# Altium PCB SmartHub Carrier.PcbDoc (part 5 of 5)
Units mm, origin at the board's own origin, x right, y up, seen from the top; angles counter-clockwise.
Board outline 120 x 130 mm, 8 copper layers (Top Layer, Layer 2, Layer 3, Layer 4, Layer 5, Layer 6, Layer 7, Bottom Layer), stack 1.479 mm thick; 460 components, 376 nets, 1826 pads, 565 vias.
Unrouted connection lines stored in the file: 350.
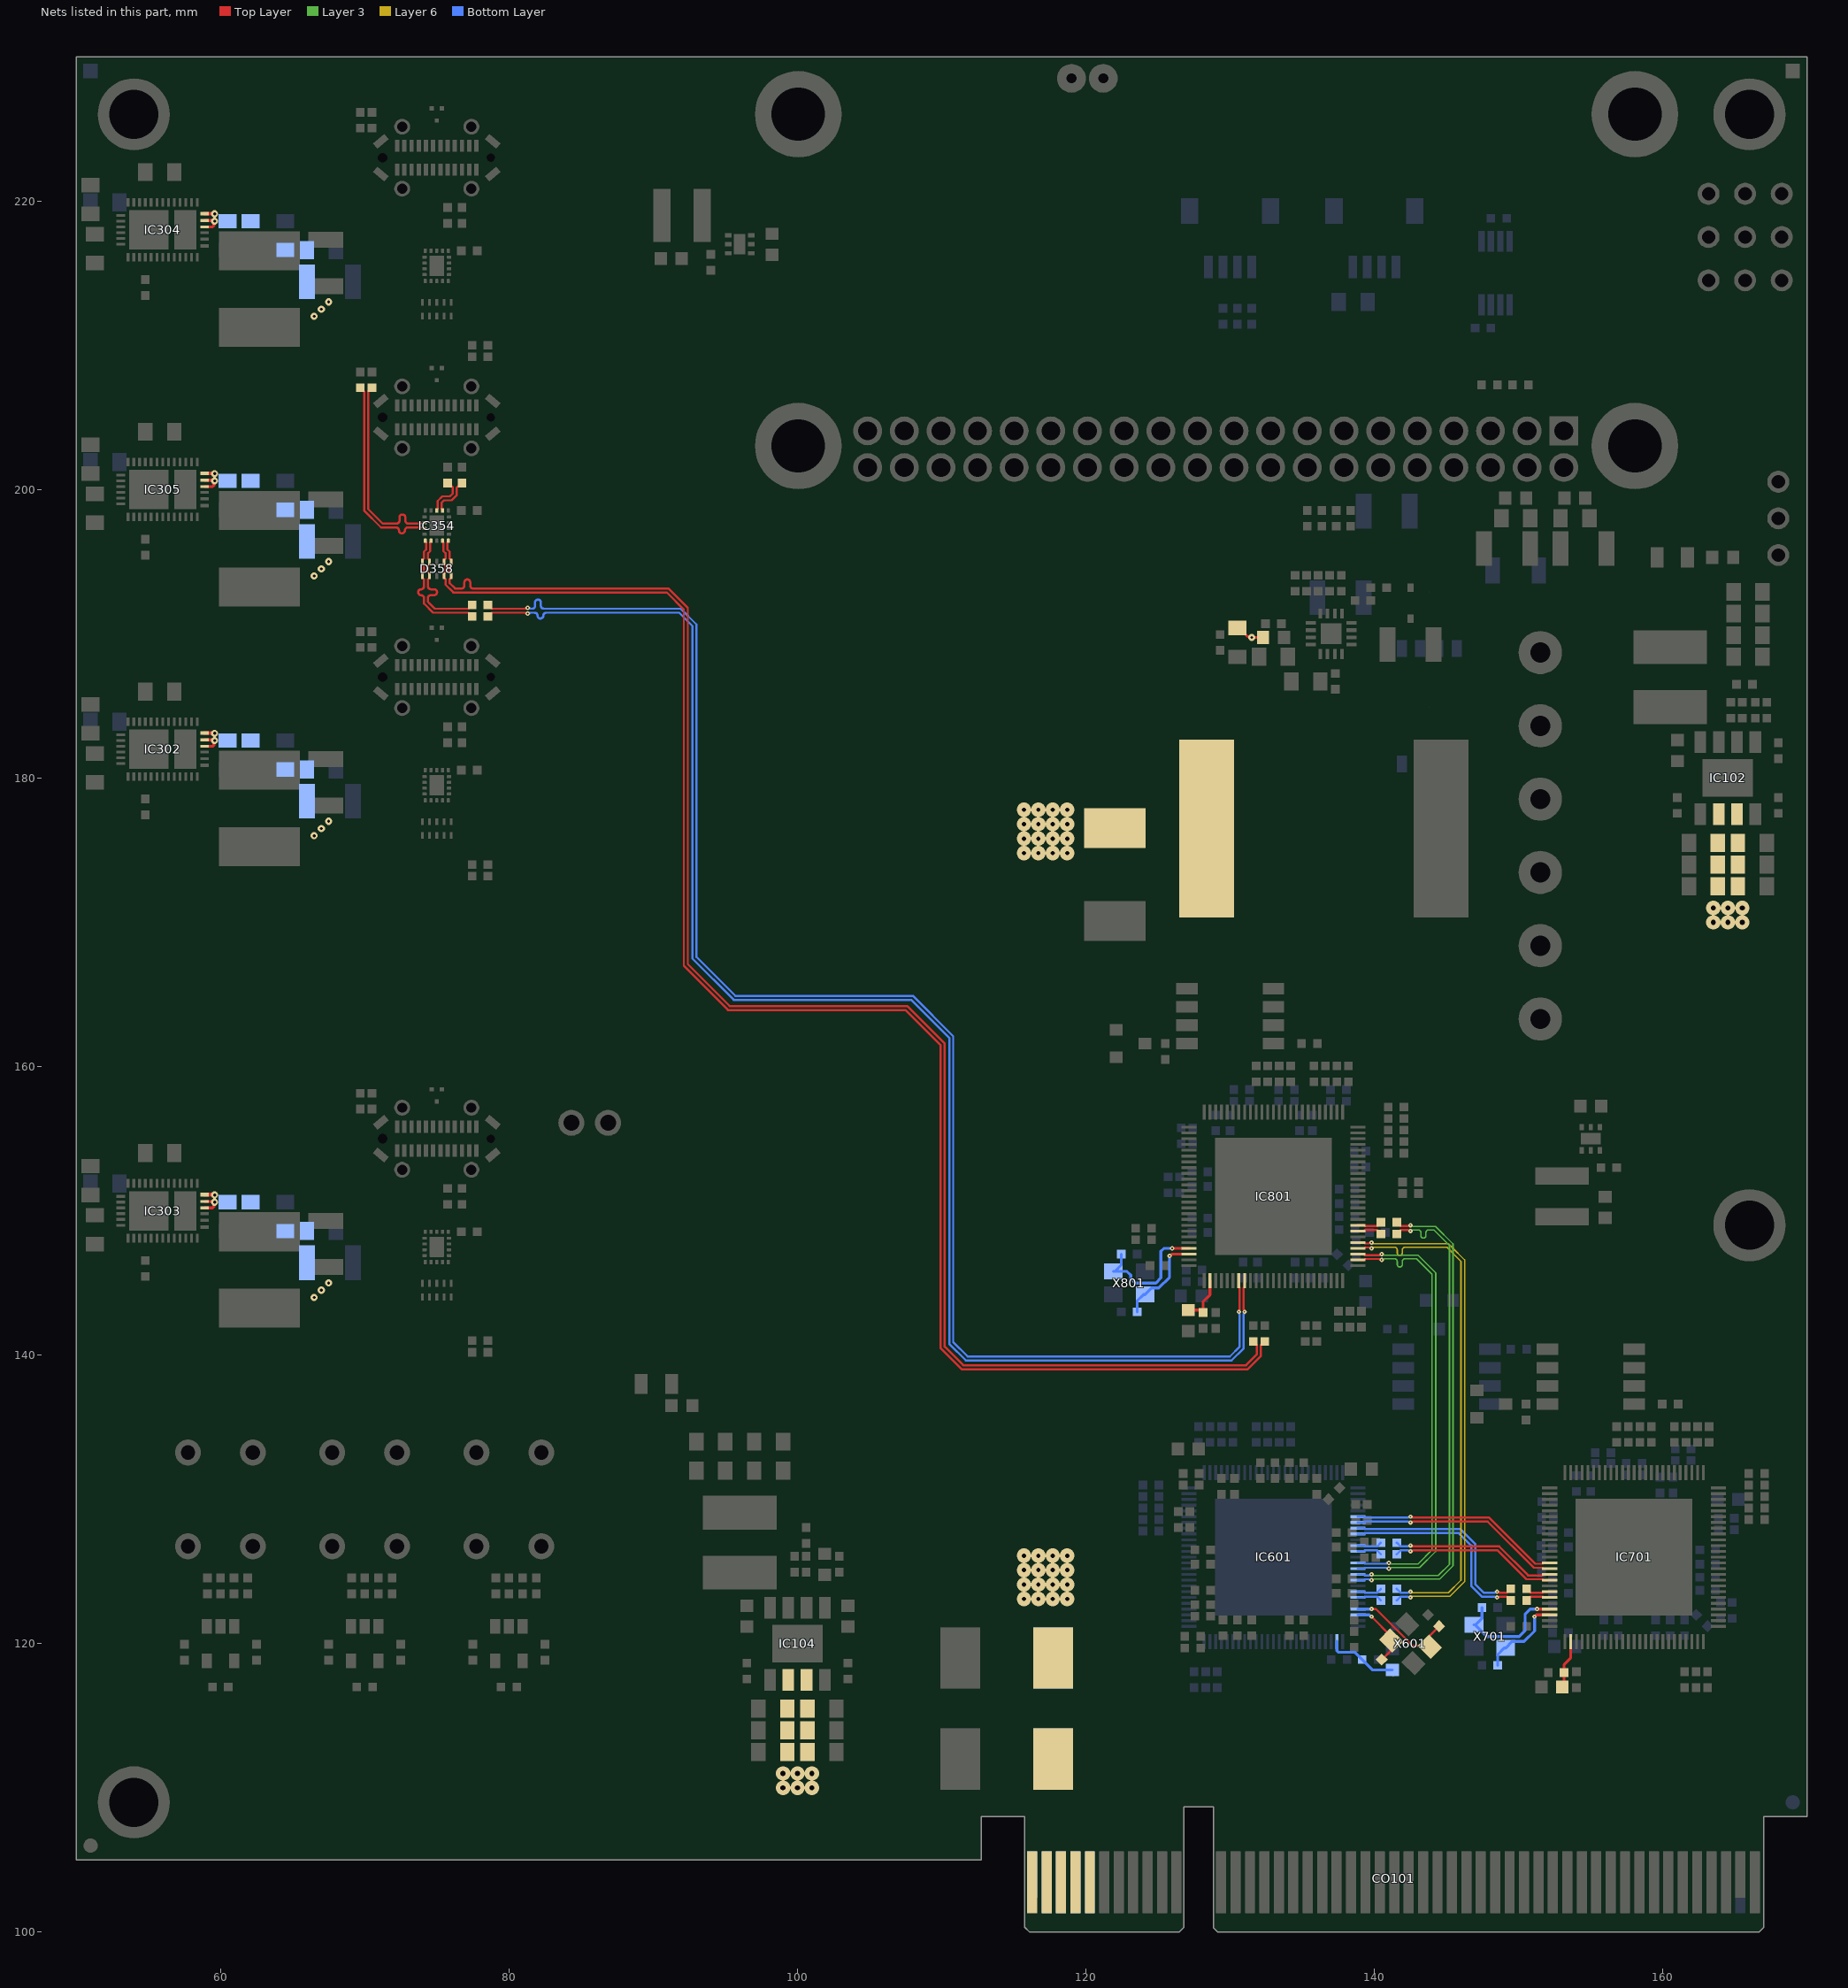
[diagram p11: the nets of this part, all layers, seen from the top]

## Via types
v1: diameter 0.3, hole 0.1, Top Layer to Bottom Layer, 235 vias
v2: diameter 0.5, hole 0.2, Top Layer to Bottom Layer, 115 vias
v3: diameter 0.6, hole 0.33, Top Layer to Bottom Layer, 108 vias
v4: diameter 1, hole 0.3, Top Layer to Bottom Layer, 40 vias
v5: diameter 0.45, hole 0.2, Top Layer to Bottom Layer, 40 vias
v6: diameter 1, hole 0.35, Top Layer to Bottom Layer, 27 vias

## Nets (pads, with @x,y where several pads share a name; then routed paths per layer and width w, separated by ;. In a path a pad name is that pad's centre, name@x,y a point inside that pad or via, vN(x,y) a via of type N, cw(c..) or ccw(c..) an arc to the next point about the centre after c; other vN are vias at no path point) (continued)
USBF3_TX_N: C322.1 IC801.8 | length 105.5
  Top Layer w0.15: C322.1@78.55,191.2 78.812,191.462 81.137,191.462 81.171,191.429 81.271,191.429 v1(81.3,191.4) ; v1(131,143) 130.971,143.029 130.971,143.129 130.938,143.163 130.938,144.662 131,144.725 IC801.8@131,145.15
  Bottom Layer w0.15: v1(81.3,191.4) 81.302,191.402 81.329,191.429 81.429,191.429 81.463,191.462 81.781,191.462 cw(c81.781,191.261) 81.983,191.261 ccw(c82.185,191.26) 82.185,191.058 ccw(c82.185,191.26) 82.387,191.26 cw(c82.589,191.261) 82.589,191.462 83.023,191.462 91.8,191.462 92.725,190.538 92.725,167.486 95.586,164.625 107.886,164.625 110.525,161.986 110.525,140.786 111.686,139.625 130.089,139.625 130.938,140.474 130.938,142.837 130.971,142.871 130.971,142.971 v1(131,143)
USBF3_TX_P: C368.1 IC801.7 | length 105.5
  Top Layer w0.15: C368.1@78.55,192 78.812,191.738 81.137,191.738 81.171,191.771 81.271,191.771 v1(81.3,191.8) ; v1(130.6,143) 130.629,143.029 130.629,143.129 130.663,143.163 130.663,144.662 130.6,144.725 IC801.7@130.6,145.15
  Bottom Layer w0.15: v1(81.3,191.8) 81.329,191.771 81.429,191.771 81.463,191.738 81.537,191.738 81.612,191.738 ccw(c81.612,191.939) 81.814,191.939 81.814,192.169 cw(c82.016,192.169) 82.016,192.371 cw(c82.016,192.169) 82.218,192.169 82.218,191.939 ccw(c82.42,191.939) 82.42,191.738 82.73,191.738 91.914,191.738 93,190.651 93,167.6 95.7,164.9 108,164.9 110.8,162.1 110.8,140.9 111.8,139.9 129.975,139.9 130.663,140.588 130.663,142.837 130.629,142.871 130.629,142.971 v1(130.6,143)
USBF3_XRX_N: C372.2 D358.2 D358.9 IC354.17 | length 110.6
  Top Layer w0.15: IC354.17@75.4,196.45 75.4,196.4 75.463,196.337 75.463,195.723 75.613,195.573 75.613,195.225 75.5,195.113 75.5,194.838 75.613,194.725 75.613,194.275 75.5,194.163 D358.9@75.5,194.025 75.5,193.887 75.612,193.775 75.612,193.399 76.149,192.862 90.949,192.862 92.125,191.686 92.125,166.986 95.186,163.925 107.486,163.925 109.939,161.472 109.939,140.472 111.386,139.025 131.214,139.025 132.138,139.949 132.138,140.688 C372.2@132.4,140.95
USBF3_XRX_P: C376.2 D358.1 D358.10 IC354.18 | length 110.6
  Top Layer w0.15: IC354.18@75.8,196.45 75.8,196.4 75.738,196.338 75.738,195.837 75.888,195.687 75.888,195.225 76,195.113 D358.1@76,194.975 76,194.838 75.888,194.725 75.888,194.275 76,194.163 D358.10@76,194.025 76,193.887 75.887,193.775 75.887,193.513 76.262,193.138 76.4,193.138 76.713,193.138 ccw(c76.713,193.339) 76.915,193.339 76.915,193.565 cw(c77.117,193.565) 77.117,193.767 cw(c77.117,193.565) 77.319,193.565 77.319,193.339 ccw(c77.521,193.339) 77.521,193.138 78,193.138 91.062,193.138 92.4,191.8 92.4,167.1 95.3,164.2 107.6,164.2 110.214,161.586 110.214,140.586 111.5,139.3 131.1,139.3 131.862,140.062 131.862,140.687 C376.2@131.6,140.95
USBF3_XTX1_N: C370.1 IC354.7 | length 2.8
  Top Layer w0.15: IC354.7@75,198.55 75,198.6 75.062,198.662 75.062,199.201 75.386,199.525 75.912,199.525 76.112,199.725 76.112,200.137 76.025,200.225 75.975,200.225 C370.1@75.75,200.45
USBF3_XTX1_P: C324.1 IC354.6 | length 2.8
  Top Layer w0.15: IC354.6@75.4,198.55 75.4,198.6 75.337,198.662 75.337,199.087 75.5,199.25 76.026,199.25 76.387,199.611 76.387,200.137 76.475,200.225 76.525,200.225 C324.1@76.75,200.45
USBF3_XTX2_N: C374.1 IC354.12 | length 13.8
  Top Layer w0.15: C374.1@69.7,207.05 69.962,206.788 69.962,198.538 71.138,197.363 71.7,197.363 72.179,197.363 cw(c72.179,197.161) 72.381,197.161 ccw(c72.583,197.16) 72.583,196.958 ccw(c72.583,197.16) 72.785,197.16 cw(c72.987,197.161) 72.987,197.363 73.5,197.363 74.037,197.363 74.1,197.3 IC354.12@74.15,197.3
USBF3_XTX2_P: C378.1 IC354.11 | length 13.8
  Top Layer w0.15: C378.1@70.5,207.05 70.237,206.787 70.237,198.651 71.251,197.638 71.9,197.638 72.213,197.638 ccw(c72.213,197.84) 72.415,197.84 72.415,198.067 cw(c72.617,198.067) 72.617,198.269 cw(c72.617,198.067) 72.819,198.067 72.819,197.84 ccw(c73.021,197.84) 73.021,197.638 73.5,197.638 74.038,197.638 74.1,197.7 IC354.11@74.15,197.7
USBF3_XTX_N: C322.2 D358.5 D358.6 IC354.14 | length 8.8
  Top Layer w0.15: IC354.14@74.2,196.45 74.2,196.4 74.262,196.338 74.262,195.837 74.112,195.687 74.112,195.225 74,195.113 D358.5@74,194.975 74,194.838 74.112,194.725 74.112,194.275 74,194.163 D358.6@74,194.025 74,193.887 74.112,193.775 74.112,193.6 74.112,193.283 cw(c73.91,193.283) 73.91,193.081 ccw(c73.91,192.879) 73.708,192.879 ccw(c73.91,192.879) 73.91,192.677 cw(c73.91,192.475) 74.112,192.475 74.112,192.4 74.112,192.099 74.749,191.462 77.188,191.462 C322.2@77.45,191.2
USBF3_XTX_P: C368.2 D358.4 D358.7 IC354.15 | length 8.8
  Top Layer w0.15: IC354.15@74.6,196.45 74.6,196.4 74.537,196.337 74.537,195.723 74.387,195.573 74.387,195.225 74.5,195.113 D358.4@74.5,194.975 74.5,194.838 74.387,194.725 74.387,194.275 74.5,194.163 D358.7@74.5,194.025 74.5,193.887 74.387,193.775 74.387,193.6 74.387,193.286 ccw(c74.589,193.286) 74.589,193.084 74.817,193.084 cw(c74.817,192.882) 75.019,192.882 cw(c74.817,192.882) 74.817,192.68 74.589,192.68 ccw(c74.589,192.478) 74.387,192.478 74.387,192.213 74.5,192.1 74.863,191.738 77.188,191.738 C368.2@77.45,192
USBMHF_N: IC601.90 IC801.28 | length 31.2
  Top Layer w0.15: IC801.28@138.85,147 139.275,147 139.338,146.938 140.337,146.938 140.371,146.971 140.471,146.971 v1(140.5,147)
  Layer 3 w0.1: v1(140.5,147) 140.554,147 140.629,146.925 143.029,146.925 144.25,145.704 144.25,126.396 143.129,125.275 141.129,125.275 141.054,125.2 v1(141,125.2)
  Bottom Layer w0.15: IC601.90@138.85,125.2 139.275,125.2 139.338,125.262 139.901,125.262 140.837,125.263 140.871,125.229 140.971,125.229 v1(141,125.2)
USBMHF_P: IC601.89 IC801.27 | length 31.2
  Top Layer w0.15: IC801.27@138.85,146.6 139.275,146.6 139.338,146.663 140.337,146.663 140.371,146.629 140.471,146.629 v1(140.5,146.6)
  Layer 3 w0.1: v1(140.5,146.6) 140.554,146.6 140.629,146.675 141,146.675 141.404,146.675 cw(c141.404,146.498) 141.581,146.498 141.581,146.286 ccw(c141.758,146.286) 141.935,146.286 141.935,146.498 cw(c142.112,146.498) 142.112,146.675 142.4,146.675 142.925,146.675 143.1,146.5 144,145.6 144,126.5 143.025,125.525 141.129,125.525 141.054,125.6 v1(141,125.6)
  Bottom Layer w0.15: IC601.89@138.85,125.6 139.275,125.6 139.338,125.537 139.788,125.537 140.837,125.538 140.871,125.571 140.971,125.571 v1(141,125.6)
USBMHF_RX_N: C642.2 IC801.30 | length 35.5
  Top Layer w0.15: IC801.30@138.85,147.8 139.275,147.8 139.338,147.738 139.637,147.738 139.671,147.771 139.771,147.771 v1(139.8,147.8)
  Layer 6 w0.1: v1(139.8,147.8) 139.854,147.8 139.929,147.725 145.129,147.725 145.275,147.579 145.377,147.477 146.25,146.604 146.25,124.296 145.229,123.275 142.629,123.275 142.554,123.2 v1(142.5,123.2)
  Bottom Layer w0.15: C642.2@141.55,123 141.812,123.262 142.101,123.262 142.337,123.262 142.371,123.229 142.471,123.229 v1(142.5,123.2)
USBMHF_RX_P: C641.2 IC801.29 | length 35.5
  Top Layer w0.15: IC801.29@138.85,147.4 139.275,147.4 139.338,147.463 139.637,147.463 139.671,147.429 139.771,147.429 v1(139.8,147.4)
  Layer 6 w0.1: v1(139.8,147.4) 139.854,147.4 139.929,147.475 141,147.475 141.404,147.475 cw(c141.404,147.298) 141.581,147.298 141.581,147.086 ccw(c141.758,147.086) 141.935,147.086 141.935,147.298 cw(c142.112,147.298) 142.112,147.475 142.401,147.475 145.025,147.475 146,146.5 146,124.4 145.125,123.525 142.629,123.525 142.554,123.6 v1(142.5,123.6)
  Bottom Layer w0.15: C641.2@141.55,123.8 141.813,123.537 141.987,123.537 142.337,123.537 142.371,123.571 142.471,123.571 v1(142.5,123.6)
USBMHF_TX_N: C838.2 IC601.92 | length 33.9
  Top Layer w0.15: C838.2@141.55,149.2 141.812,148.938 142.337,148.938 142.371,148.971 142.471,148.971 v1(142.5,149)
  Layer 3 w0.1: v1(139.8,124.4) 139.854,124.4 139.929,124.475 144.529,124.475 145.45,125.396 145.45,147.704 144.229,148.925 142.629,148.925 142.554,149 v1(142.5,149)
  Bottom Layer w0.15: IC601.92@138.85,124.4 139.275,124.4 139.338,124.462 139.637,124.462 139.671,124.429 139.771,124.429 v1(139.8,124.4)
USBMHF_TX_P: C837.2 IC601.91 | length 33.9
  Top Layer w0.15: C837.2@141.55,148.4 141.813,148.663 142.337,148.663 142.371,148.629 142.471,148.629 v1(142.5,148.6)
  Layer 3 w0.1: v1(139.8,124.8) 139.854,124.8 139.929,124.725 144.425,124.725 145.2,125.5 145.2,147.6 144.125,148.675 143.8,148.675 143.75,148.675 ccw(c143.75,148.498) 143.573,148.498 143.573,148.286 cw(c143.396,148.286) 143.219,148.286 143.219,148.498 ccw(c143.042,148.498) 143.042,148.675 142.8,148.675 142.629,148.675 142.554,148.6 v1(142.5,148.6)
  Bottom Layer w0.15: IC601.91@138.85,124.8 139.275,124.8 139.338,124.738 139.637,124.738 139.671,124.771 139.771,124.771 v1(139.8,124.8)
USBMHF_XRX_N: C642.1 IC601.95 | length 1.7
  Bottom Layer w0.15: IC601.95@138.85,123.2 139.275,123.2 139.338,123.262 140.188,123.262 C642.1@140.45,123
USBMHF_XRX_P: C641.1 IC601.94 | length 1.7
  Bottom Layer w0.15: IC601.94@138.85,123.6 139.275,123.6 139.338,123.537 140.188,123.537 C641.1@140.45,123.8
USBMHF_XTX_N: C838.1 IC801.33 | length 1.7
  Top Layer w0.15: IC801.33@138.85,149 139.275,149 139.338,148.938 140.188,148.938 C838.1@140.45,149.2
USBMHF_XTX_P: C837.1 IC801.32 | length 1.7
  Top Layer w0.15: IC801.32@138.85,148.6 139.275,148.6 139.338,148.663 140.187,148.663 C837.1@140.45,148.4
USBMHG_N: IC601.82 IC701.90 | length 14.7
  Top Layer w0.15: v1(142.5,128.4) 142.529,128.429 142.629,128.429 142.663,128.462 147.849,128.462 151.049,125.262 151.663,125.262 151.725,125.2 IC701.90@152.15,125.2
  Bottom Layer w0.15: IC601.82@138.85,128.4 139.275,128.4 139.338,128.462 142.337,128.462 142.371,128.429 142.471,128.429 v1(142.5,128.4)
USBMHG_P: IC601.81 IC701.89 | length 14.7
  Top Layer w0.15: v1(142.5,128.8) 142.529,128.771 142.629,128.771 142.663,128.737 147.963,128.737 151.163,125.537 151.662,125.537 151.725,125.6 IC701.89@152.15,125.6
  Bottom Layer w0.15: IC601.81@138.85,128.8 139.275,128.8 139.338,128.737 142.337,128.737 142.371,128.771 142.471,128.771 v1(142.5,128.8)
USBMHG_RX_N: C743.2 IC601.84 | length 14.2
  Top Layer w0.15: v1(148.5,123.2) 148.529,123.229 148.629,123.229 148.663,123.262 149.188,123.262 C743.2@149.45,123
  Bottom Layer w0.15: IC601.84@138.85,127.6 139.275,127.6 139.338,127.662 145.849,127.662 146.708,126.803 146.708,124.003 147.449,123.262 148.337,123.262 148.371,123.229 148.471,123.229 v1(148.5,123.2)
USBMHG_RX_P: C742.2 IC601.83 | length 14.2
  Top Layer w0.15: v1(148.5,123.6) 148.529,123.571 148.629,123.571 148.663,123.537 149.188,123.537 C742.2@149.45,123.8
  Bottom Layer w0.15: IC601.83@138.85,128 139.275,128 139.338,127.937 145.963,127.937 146.983,126.917 146.983,124.117 147.563,123.537 148.337,123.537 148.371,123.571 148.471,123.571 v1(148.5,123.6)
USBMHG_TX_N: C644.2 IC701.92 | length 11.6
  Top Layer w0.15: v1(142.5,126.4) 142.529,126.429 142.629,126.429 142.663,126.463 148.538,126.463 150.538,124.462 151.663,124.462 151.725,124.4 IC701.92@152.15,124.4
  Bottom Layer w0.15: C644.2@141.55,126.2 141.812,126.462 142.101,126.462 142.337,126.463 142.371,126.429 142.471,126.429 v1(142.5,126.4)
USBMHG_TX_P: C643.2 IC701.91 | length 11.6
  Top Layer w0.15: v1(142.5,126.8) 142.529,126.771 142.629,126.771 142.663,126.738 148.651,126.738 150.651,124.738 151.663,124.738 151.725,124.8 IC701.91@152.15,124.8
  Bottom Layer w0.15: C643.2@141.55,127 141.813,126.737 141.987,126.737 142.337,126.738 142.371,126.771 142.471,126.771 v1(142.5,126.8)
USBMHG_XRX_N: C743.1 IC701.95 | length 1.7
  Top Layer w0.15: C743.1@150.55,123 150.812,123.262 151.663,123.262 151.725,123.2 IC701.95@152.15,123.2
USBMHG_XRX_P: C742.1 IC701.94 | length 1.7
  Top Layer w0.15: C742.1@150.55,123.8 150.812,123.537 151.663,123.537 151.725,123.6 IC701.94@152.15,123.6
USBMHG_XTX_N: C644.1 IC601.87 | length 1.7
  Bottom Layer w0.15: IC601.87@138.85,126.4 139.275,126.4 139.338,126.462 140.188,126.462 C644.1@140.45,126.2
USBMHG_XTX_P: C643.1 IC601.86 | length 1.7
  Bottom Layer w0.15: IC601.86@138.85,126.8 139.275,126.8 139.338,126.737 140.187,126.737 C643.1@140.45,127
VBUS_DET_F: IC801.2 R814.1 R815.2 | length 3.5
  Top Layer w0.2: R815.2@127.1,143.125 127.95,143.125 R814.1@128.125,142.95 128.125,143.7 128.6,144.175 IC801.2@128.6,145.15
VBUS_DET_G1: IC601.2 R615.1 R616.2 | length 5
  Bottom Layer w0.2: IC601.2@137.4,120.15 137.4,119.517 137.517,119.4 138.65,119.4 R615.1@139.15,118.9 139.875,118.175 R616.2@141.25,118.175
VBUS_DET_G2: IC701.2 R716.1 R717.2 | length 3.4
  Top Layer w0.2: R717.2@153.025,117 153.15,117.125 R716.1@153.15,118 153.15,118.55 153.6,119 IC701.2@153.6,120.15
VPWR: C105.1 C116.1 C117.1 C118.1 C119.1 C120.1 C121.1 C134.1 C135.1 C136.1 C137.1 C138.1 C139.1 C145.1 C151.1 C152.1 C153.1 C154.1 C327.1 C328.1 C329.1 C330.1 C331.1 C336.1 C337.1 C338.1 C339.1 C340.1 C349.1 C350.1 C351.1 C352.1 C353.1 C360.1 C361.1 C362.1 C363.1 C364.1 CO101.A1 CO101.A2 CO101.A3 CO101.A4 CO101.A5 CO101.B1 CO101.B2 CO101.B3 CO101.B4 CO101.B5 IC102.2 IC102.3 IC104.2 IC104.3 IC302.23 IC302.24 IC302.25 IC303.23 IC303.24 IC303.25 IC304.23 IC304.24 IC304.25 IC305.23 IC305.24 IC305.25 L105.2 R104.2 | length 11.8
  Top Layer w0.2: IC303.23@58.9,150.2 59.458,150.2 59.543,150.285 59.543,150.543 v2(59.6,150.6) 59.55,150.65 IC303.24@58.9,150.65 ; IC302.23@58.9,182.2 59.458,182.2 59.543,182.285 59.543,182.543 v2(59.6,182.6) 59.55,182.65 IC302.24@58.9,182.65 ; IC305.23@58.9,200.2 59.458,200.2 59.543,200.285 59.543,200.543 v2(59.6,200.6) 59.55,200.65 IC305.24@58.9,200.65 ; IC304.23@58.9,218.2 59.458,218.2 59.543,218.285 59.543,218.543 v2(59.6,218.6) 59.55,218.65 IC304.24@58.9,218.65 ; C145.1@130.5,190.4 130.625,190.4 131.218,189.807 131.443,189.807 v2(131.5,189.75) R104.2@132.275,189.75
  Top Layer w0.25: IC303.25@58.9,151.125 59.575,151.125 v2(59.6,151.1) ; IC302.25@58.9,183.125 59.575,183.125 v2(59.6,183.1) ; IC305.25@58.9,201.125 59.575,201.125 v2(59.6,201.1) ; IC304.25@58.9,219.125 59.575,219.125 v2(59.6,219.1)
  other v2: 66.5,144 67,144.5 67.5,145 66.5,176 67,176.5 67.5,177 66.5,194 67,194.5 67.5,195 66.5,212 67,212.5 67.5,213
  other v4: 115.7,123.1 116.7,123.1 117.7,123.1 118.7,123.1 115.7,124.1 116.7,124.1 117.7,124.1 118.7,124.1 115.7,125.1 116.7,125.1 117.7,125.1 118.7,125.1 115.7,126.1 116.7,126.1 117.7,126.1 118.7,126.1 115.7,174.8 116.7,174.8 117.7,174.8 118.7,174.8 115.7,175.8 116.7,175.8 117.7,175.8 118.7,175.8 115.7,176.8 116.7,176.8 117.7,176.8 118.7,176.8 115.7,177.8 116.7,177.8 117.7,177.8 118.7,177.8
  other v6: 99,110 100,110 101,110 99,111 100,111 101,111 163.5,170 164.5,170 165.5,170 163.5,171 164.5,171 165.5,171
XTI_F: C848.2 IC801.98 X801.1 | length 6.6
  Top Layer w0.2: v1(125.8,146.875) 125.827,146.875 125.952,147 IC801.98@127.15,147
  Bottom Layer w0.2: C848.2@123.55,143 123.55,143.75 124,144.2 X801.1@124.1,144.2 124.55,144.65 125.05,144.65 125.8,145.4 v1(125.8,146.875)
XTI_G1: C639.2 IC601.98 X601.1 | length 4.8
  Top Layer w0.15: v1(139.8,121.875) 141.156,120.519 X601.1@141.156,120.212 141.177,120.191 141.177,119.555 C639.2@140.511,118.889
  Bottom Layer w0.2: IC601.98@138.85,122 139.648,122 139.773,121.875 v1(139.8,121.875)
XTI_G2: C740.2 IC701.98 X701.1 | length 6.1
  Top Layer w0.2: v1(151.1,121.875) 151.225,122 IC701.98@152.15,122
  Bottom Layer w0.2: C740.2@148.55,118.5 148.55,119.25 149,119.7 X701.1@149.1,119.7 149.55,120.15 150.375,120.15 151.1,120.875 v1(151.1,121.875)
XTO_F: C849.1 IC801.97 X801.3 | length 9.2
  Top Layer w0.2: v1(125.975,147.4) IC801.97@127.15,147.4
  Bottom Layer w0.2: X801.3@121.9,145.8 X801.3@122,145.8 ; C849.1@122.45,147 122.45,146.25 X801.3@122,145.8 ; v1(125.975,147.4) 125.4,147.4 125.2,147.2 125.2,145.35 124.85,145 123.417,145 123.109,145.309 123.109,145.541 122.85,145.8 X801.3@122,145.8
XTO_G1: C640.1 IC601.97 X601.3 | length 7.8
  Top Layer w0.15: v1(139.8,122.4) 140.1,122.4 142.641,119.859 143.773,119.859 X601.3@143.844,119.788 143.793,119.839 143.793,120.51 C640.1@144.489,121.207
  Bottom Layer w0.2: IC601.97@138.85,122.4 v1(139.8,122.4)
XTO_G2: C741.1 IC701.97 X701.3 | length 8.4
  Top Layer w0.2: v1(151.275,122.4) IC701.97@152.15,122.4
  Bottom Layer w0.2: X701.3@146.9,121.3 X701.3@147,121.3 ; C741.1@147.45,122.5 147.45,121.75 X701.3@147,121.3 ; v1(151.275,122.4) 150.8,122.4 150.45,122.05 150.45,120.925 150.025,120.5 147.8,120.5 X701.3@147,121.3
pads on no net: CO301.0 CO301.8 CO301.28 CO302.0 CO302.8 CO302.28 CO303.0 CO303.8 CO303.28 CO304.0 CO304.8 CO304.28 D601.2 D701.2 D702.2 Fid1.1 Fid2.1 Fid3.1 Fid4.1 IC302.2 IC302.3 IC302.16 IC302.17 IC302.18 IC302.32 IC302.33 IC303.2 IC303.3 IC303.16 IC303.17 IC303.18 IC303.32 IC303.33 IC304.2 IC304.3 IC304.16 IC304.17 IC304.18 IC304.32 IC304.33 IC305.2 IC305.3 IC305.16 IC305.17 IC305.18 IC305.32 IC305.33 IC351.1 IC351.4 IC351.10 IC351.13 IC352.1 IC352.4 IC352.10 IC352.13 IC353.1 IC353.4 IC353.10 IC353.13 IC354.1 IC354.4 IC354.10 IC354.13 IC501.7 IC501.8 IC601.4 IC601.12 IC601.13 IC601.41 IC601.42 IC601.49 IC601.50 IC601.74 IC601.80 IC601.96 IC701.4 IC701.12 IC701.13 IC701.41 IC701.42 IC701.49 IC701.50 IC701.74 IC701.80 IC701.81 IC701.82 IC701.83 IC701.84 IC701.86 IC701.87 IC701.96 IC801.4 IC801.12 IC801.13 IC801.49 IC801.50 IC801.74 IC801.80 IC801.81 IC801.82 IC801.83 IC801.84 IC801.86 IC801.87 IC801.96 MO501.7 MO501.12 MO501.24 MO501.26 MO501.27 MO501.28 MO501.32 MO501.33 MO501.36 MO501.37

## Polygon pours and split planes (outlines as drawn)
GND on Layer 4 "NONET_L04_P228" (solid, shelved, pour order 228): 170,100 50,100 50,230 170,230
no net on Layer0 "Default Coverlay 2 Top" (split plane): 220,315 220,295 190,295 190,315
no net on Layer0 "Default Coverlay 2 Top" (split plane): 289,135 289,130 181,130 181,135
no net on Layer0 "Default Coverlay 2 Top" (split plane): 291,111 285,111 285,126 291,126
no net on Layer0 "Default Coverlay 2 Top" (split plane): 179,100 185,100 185,89 179,89
no net on Layer0 "Default Coverlay 2 Top" (split plane): 231,89 225,89 225,100 231,100
GND on Top Layer "NONET_L01_P225" (solid, shelved, pour order 225): 170,100 50,100 50,230 170,230
+1V1 on Top Layer "Top Layer-+1V1" (solid, pour order 203): 139.1,132.8 139.1,131.1 138,130 137.9,129.9 137.9,121.4 137.6,121.1 128.4,121.1 128.1,121.4 128.1,130.6 128.4,130.9 135.5,130.9 141,136.4 141,144.9 143.3,147.2 154.1,147.2 154.2,147.3 154.2,148 153.7,148.5 150.75,148.5 150.5,148.75 150.5,150.5 150.75,150.75 155.017,150.75 155.517,150.25 157.5,150.25 158,149.75 158,145.8 157.6,145.4 143.8,145.4 142.5,144.1 142.5,136.2
GND on Top Layer "GND_L01_P142" (solid, pour order 142): 129.7,129.125 129.875,129.3 136.125,129.3 136.3,129.125 136.3,122.875 136.125,122.7 129.875,122.7 129.7,122.875
+1V8 on Top Layer "+1V8_L01_P202" (solid, pour order 202): 88.5,217.75 88.25,217.5 88.25,215.5 88.75,215 91,215 91.25,215.25 91.25,216.483 91.75,216.983 91.75,221.25 91.5,221.5 89.75,221.5 89.5,221.25 89.5,218.25 89,217.75
PRE_1V8 on Top Layer "PRE_1V8_L01_P199" (solid, pour order 199): 92.25,221.25 92.25,217.25 92.75,216.75 94,216.75 94.45,217.2 95.2,217.2 95.4,217.4 95.4,218.1 95.2,218.3 94.7,218.3 94.5,218.5 94.5,221.25 94.25,221.5 92.5,221.5
PRE_1V1 on Top Layer "PRE_1V1_L01_P198" (solid, pour order 198): 150.75,151.25 154.75,151.25 155.25,151.75 155.25,153 154.8,153.45 154.8,154.2 154.6,154.4 153.9,154.4 153.7,154.2 153.7,153.7 153.5,153.5 150.75,153.5 150.5,153.25 150.5,151.5
+3V3 on Top Layer "+3V3_L01_P197" (solid, pour order 197): 93,127 92.5,127.5 92.5,130.5 93,131 93.5,131 94,131.5 94,137 94.5,137.5 97.5,137.5 98,137 98,131.5 98.5,131 99,131 99.5,130.5 99.5,127.5 99,127
PRE_3V3 on Top Layer "PRE_3V3_L01_P190" (solid, pour order 190): 93.3,126.7 93,126.4 93,123 94.2,121.8 97.2,121.8 97.5,121.5 98.7,121.5 99,121.8 99,126.4 98.7,126.7
VPWR on Top Layer "VPWR_L01_P189" (solid, pour order 189): 98.85,118.55 101.15,118.55 101.5,118.2 101.5,116.7 101.7,116.5 101.7,109.7 101.3,109.3 98.7,109.3 98.3,109.7 98.3,116.5 98.5,116.7 98.5,118.2
VPWR on Top Layer "VPWR_L01_P188" (solid, pour order 188): 163.35,178.55 165.65,178.55 166,178.2 166,176.7 166.2,176.5 166.2,169.7 165.8,169.3 163.2,169.3 162.8,169.7 162.8,176.5 163,176.7 163,178.2
PRE_5VR on Top Layer "PRE_5VR_L01_P183" (solid, pour order 183): 157.8,186.7 157.5,186.4 157.5,183 158.7,181.8 161.7,181.8 162,181.5 163.2,181.5 163.5,181.8 163.5,186.4 163.2,186.7
+5VR on Top Layer "+5VR_L01_P182" (solid, pour order 182): 154.1,202.9 149.6,202.9 149.2,202.5 149.2,200.5 149.7,200 149.7,192.3 150.5,191.5 156.5,191.5 157.5,190.5 157.5,187.5 158,187 165,187 166,188 166,193.5 165.5,194 154.5,194 154,194.5 154,200 154.5,200.5 154.5,202.5
PRE_VPWR on Top Layer "PRE_VPWR_L01_P181" (solid, pour order 181): 139.1,187.4 139.6,187.9 147,187.9 147.5,187.4 147.5,169.7 147,169.2 141.9,169.2 141.4,169.7 141.4,181.5 140.9,182 139.6,182 139.1,182.5
USBF2_5V on Top Layer "USBF2_5V_L01_P180" (solid, pour order 180): 58.6,217.9 59.575,217.9 59.875,218.2 60.125,218.2 65.7,218.2 65.9,218.4 65.9,218.7 66.1,218.9 68.7,218.9 68.9,218.7 68.9,216.5 68.6,216.2 66.3,216.2 66,215.9 66,215.2 65.6,214.8 59.7,214.8 59.5,215 59.5,216.3 59.3,216.5 59,216.5 58.65,216.5 58.6,216.55
USBF3_5V on Top Layer "USBF3_5V_L01_P160" (solid, pour order 160): 58.6,199.9 59.575,199.9 59.875,200.2 60.125,200.2 65.7,200.2 65.9,200.4 65.9,200.7 66.1,200.9 68.7,200.9 68.9,200.7 68.9,198.5 68.6,198.2 66.3,198.2 66,197.9 66,197.2 65.6,196.8 59.7,196.8 59.5,197 59.5,198.3 59.3,198.5 59,198.5 58.65,198.5 58.6,198.55
USBF0_5V on Top Layer "USBF0_5V_L01_P159" (solid, pour order 159): 58.6,181.9 59.575,181.9 59.875,182.2 60.125,182.2 65.7,182.2 65.9,182.4 65.9,182.7 66.1,182.9 68.7,182.9 68.9,182.7 68.9,180.5 68.6,180.2 66.3,180.2 66,179.9 66,179.2 65.6,178.8 59.7,178.8 59.5,179 59.5,180.3 59.3,180.5 59,180.5 58.65,180.5 58.6,180.55
USBF1_5V on Top Layer "USBF1_5V_L01_P158" (solid, pour order 158): 58.6,149.9 59.575,149.9 59.875,150.2 60.125,150.2 65.7,150.2 65.9,150.4 65.9,150.7 66.1,150.9 68.7,150.9 68.9,150.7 68.9,148.5 68.6,148.2 66.3,148.2 66,147.9 66,147.2 65.6,146.8 59.7,146.8 59.5,147 59.5,148.3 59.3,148.5 59,148.5 58.65,148.5 58.6,148.55
VPWR on Top Layer "VPWR_L01_P154" (solid, pour order 154): 114.4,174.4 114.9,173.9 124.7,173.9 125.2,173.4 125.2,169.9 125.7,169.4 131.5,169.4 132,169.9 132,183.2 131.5,183.7 114.9,183.7 114.4,183.2
VPWR on Top Layer "VPWR_L01_P143" (solid, pour order 143): 120.2,126.8 119.7,127.3 114.9,127.3 114.4,126.8 114.4,109.3 115.7,108 115.7,101.5 116,101.2 120.6,101.2 120.8,101.4 120.8,112.4 120.2,113
no net on Layer0 "Default Coverlay 2 Bottom" (split plane): 220,315 220,295 190,295 190,315
no net on Layer0 "Default Coverlay 2 Bottom" (split plane): 289,135 289,130 181,130 181,135
no net on Layer0 "Default Coverlay 2 Bottom" (split plane): 291,111 285,111 285,126 291,126
no net on Layer0 "Default Coverlay 2 Bottom" (split plane): 179,100 185,100 185,89 179,89
no net on Layer0 "Default Coverlay 2 Bottom" (split plane): 231,89 225,89 225,100 231,100
GND on Layer 5 "NONET_L05_P229" (solid, shelved, pour order 229): 170,100 50,100 50,230 170,230
VPWR on Layer 5 "Layer 5-VPWR" (solid, pour order 175): 114.4,112.5 113.9,112 98.8,112 98.3,111.5 98.3,109.7 98.7,109.3 119.7,109.3 120.2,109.8 120.2,155.8 120.7,156.3 165.7,156.3 166.2,156.8 166.2,171.4 165.9,171.7 163.1,171.7 162.8,171.4 162.8,160.2 162.3,159.7 120.7,159.7 120.2,160.2 120.2,178.5 120.2,188.4 120.2,188.5 120.7,189 132,189 132.2,189.2 132.2,190.2 132,190.4 120.7,190.4 120.2,190.9 120.2,195 119.7,195.5 95.5,195.5 95,196 95,213 94.5,213.5 66.1,213.5 65.7,213.1 65.7,207.2 66.2,206.7 87.9,206.7 88.4,206.2 88.4,196 87.9,195.5 66.1,195.5 65.7,195.1 65.7,189.2 66.2,188.7 113.9,188.7 114.4,188.2 114.4,178 113.9,177.5 66.1,177.5 65.7,177.1 65.7,171.2 66.2,170.7 113.9,170.7 114.4,170.2 114.4,146 113.9,145.5 66.1,145.5 65.7,145.1 65.7,139.2 66.2,138.7 113.9,138.7 114.4,138.2
+5VR on Layer 5 "+5VR_L05_P195" (solid, pour order 195): 128,220.6 128.2,220.4 128.2,213.9 128.4,213.7 128.6,213.7 128.8,213.9 128.8,220.4 129,220.6 138.5,220.6 139,220.1 139,211.4 139.2,211.2 139.7,211.2 139.9,211.4 139.9,220.1 140.4,220.6 150.9,220.6 162.9,208.6 162.9,201.9 158.8,197.8 158.8,191.7 159.3,191.2 161.9,191.2 162.3,191.6 162.3,197.2 166,200.9 166,209.8 153.2,222.6 95.4,222.6 88.6,229.4 61.6,229.4 55.3,223.1 55.3,154 55.6,153.7 56.7,153.7 57,154 57,222.5 62.4,227.9 86.9,227.9 94.2,220.6
GND on Bottom Layer "NONET_L08_P232" (solid, shelved, pour order 232): 170,100 50,100 50,230 170,230
+1V1 on Bottom Layer "Bottom Layer-+1V1" (solid, pour order 132): 153.7,145.9 154.2,146.4 154.2,148.8 154.6,149.2 161.8,149.2 164.5,146.5 164.5,129.3 164.3,129.1 163.1,129.1 162.9,128.9 162.9,121.4 162.6,121.1 153.4,121.1 153.1,121.4 153.1,130.6 153.4,130.9 162.3,130.9 162.6,131.2 162.6,144.2 161.4,145.4 157.6,145.4 156.5,144.3 137.4,144.3 136.9,144.8 136.9,145.6 136.7,145.8 133.7,145.8 133.4,146.1 128.4,146.1 128.1,146.4 128.1,155.6 128.4,155.9 137.3,155.9 137.9,155.3 137.9,153.9 137.9,146.8 137.9,146.275 138.275,145.9
USBF2_DRAIN on Bottom Layer "USBF2_DRAIN_L08_P222" (solid, pour order 222): 56.7,219.35 56.8,219.45 58.325,219.45 58.425,219.35 58.425,216.65 58.325,216.55 56.8,216.55 56.7,216.65
USBF3_DRAIN on Bottom Layer "USBF3_DRAIN_L08_P194" (solid, pour order 194): 56.7,201.35 56.8,201.45 58.325,201.45 58.425,201.35 58.425,198.65 58.325,198.55 56.8,198.55 56.7,198.65
USBF0_DRAIN on Bottom Layer "USBF0_DRAIN_L08_P193" (solid, pour order 193): 56.7,183.35 56.8,183.45 58.325,183.45 58.425,183.35 58.425,180.65 58.325,180.55 56.8,180.55 56.7,180.65
USBF1_DRAIN on Bottom Layer "USBF1_DRAIN_L08_P192" (solid, pour order 192): 56.7,151.35 56.8,151.45 58.325,151.45 58.425,151.35 58.425,148.65 58.325,148.55 56.8,148.55 56.7,148.65
PRE_VPWR on Bottom Layer "PRE_VPWR_L08_P135" (solid, pour order 135): 139.6,182 139.1,182.5 139.1,187.4 139.6,187.9 142.2,187.9 142.5,188.2 142.5,189.8 142.7,190 147,190 147.5,189.5 147.5,182.5 147,182
+24V on Bottom Layer "+24V_L08_P133" (solid, pour order 133): 139,189.9 139.3,190.2 139.3,190.9 139.4,191 140.1,191 140.3,191.2 140.3,195.6 140.9,196.2 149,196.2 149.5,195.7 149.5,177 150,176.5 153,176.5 153.5,177 153.5,199.7 153,200.2 138.4,200.2 138.1,199.9 138.1,190.4 138.6,189.9
+24V_FUSED on Bottom Layer "+24V_FUSED_L08_P134" (solid, pour order 134): 140.5,191.2 139.1,189.8 139.1,189.5 139.2,189.4 139.5,189.4 139.7,189.6 139.7,189.9 140.1,190.3 140.7,190.3 141,190 149,190 149.5,190.5 149.5,195.5 149,196 141,196 140.5,195.5
VPWR on Bottom Layer "VPWR_L08_P191" (solid, pour order 191): 66.8,214.4 67.1,214.1 67.7,214.1 68.1,213.7 68.1,212.9 66.7,211.5 65.9,211.5 65.7,211.7 65.7,212.5 65.4,212.8 64.7,212.8 64.4,213.1 64.4,215.4 64,215.8 63.2,215.8 63,216 63,217.1 62.8,217.3 59.4,217.3 59.1,217.6 59.1,219.3 59.4,219.6 62.8,219.6 63.5,218.9 63.5,218.2 63.9,217.8 66.5,217.8 66.8,217.5
VPWR on Bottom Layer "VPWR_L08_P166" (solid, pour order 166): 66.8,196.4 67.1,196.1 67.7,196.1 68.1,195.7 68.1,194.9 66.7,193.5 65.9,193.5 65.7,193.7 65.7,194.5 65.4,194.8 64.7,194.8 64.4,195.1 64.4,197.4 64,197.8 63.2,197.8 63,198 63,199.1 62.8,199.3 59.4,199.3 59.1,199.6 59.1,201.3 59.4,201.6 62.8,201.6 63.5,200.9 63.5,200.2 63.9,199.8 66.5,199.8 66.8,199.5
VPWR on Bottom Layer "VPWR_L08_P165" (solid, pour order 165): 66.8,178.4 67.1,178.1 67.7,178.1 68.1,177.7 68.1,176.9 66.7,175.5 65.9,175.5 65.7,175.7 65.7,176.5 65.4,176.8 64.7,176.8 64.4,177.1 64.4,179.4 64,179.8 63.2,179.8 63,180 63,181.1 62.8,181.3 59.4,181.3 59.1,181.6 59.1,183.3 59.4,183.6 62.8,183.6 63.5,182.9 63.5,182.2 63.9,181.8 66.5,181.8 66.8,181.5
VPWR on Bottom Layer "VPWR_L08_P164" (solid, pour order 164): 66.8,146.4 67.1,146.1 67.7,146.1 68.1,145.7 68.1,144.9 66.7,143.5 65.9,143.5 65.7,143.7 65.7,144.5 65.4,144.8 64.7,144.8 64.4,145.1 64.4,147.4 64,147.8 63.2,147.8 63,148 63,149.1 62.8,149.3 59.4,149.3 59.1,149.6 59.1,151.3 59.4,151.6 62.8,151.6 63.5,150.9 63.5,150.2 63.9,149.8 66.5,149.8 66.8,149.5
USBF2_5V on Bottom Layer "USBF2_5V_L08_P157" (solid, pour order 157): 77.9,224.4 78.1,224.2 78.1,221.8 77.9,221.6 72.2,221.6 71.3,220.7 71.3,218.3 70.9,217.9 66.2,217.9 65.8,218.3 65.8,219.5 66.1,219.8 68.9,219.8 69.3,220.2 69.3,223.8 69.9,224.4
USBF3_5V on Bottom Layer "USBF3_5V_L08_P153" (solid, pour order 153): 77.9,206.4 78.1,206.2 78.1,203.8 77.9,203.6 72.2,203.6 71.3,202.7 71.3,200.3 70.9,199.9 66.2,199.9 65.8,200.3 65.8,201.5 66.1,201.8 68.9,201.8 69.3,202.2 69.3,205.8 69.9,206.4
USBF0_5V on Bottom Layer "USBF0_5V_L08_P152" (solid, pour order 152): 77.9,188.4 78.1,188.2 78.1,185.8 77.9,185.6 72.2,185.6 71.3,184.7 71.3,182.3 70.9,181.9 66.2,181.9 65.8,182.3 65.8,183.5 66.1,183.8 68.9,183.8 69.3,184.2 69.3,187.8 69.9,188.4
USBF1_5V on Bottom Layer "USBF1_5V_L08_P151" (solid, pour order 151): 77.9,156.4 78.1,156.2 78.1,153.8 77.9,153.6 72.2,153.6 71.3,152.7 71.3,150.3 70.9,149.9 66.2,149.9 65.8,150.3 65.8,151.5 66.1,151.8 68.9,151.8 69.3,152.2 69.3,155.8 69.9,156.4
VPWR on Bottom Layer "VPWR_L08_P150" (solid, pour order 150): 120.2,126.8 119.7,127.3 114.9,127.3 114.4,126.8 114.4,109.3 115.7,108 115.7,101.5 116,101.2 120.6,101.2 120.8,101.4 120.8,112.4 120.2,113
GND on Bottom Layer "GND_L08_P120" (solid, pour order 120): 129.7,154.125 129.875,154.3 136.125,154.3 136.3,154.125 136.3,147.875 136.125,147.7 129.875,147.7 129.7,147.875
GND on Bottom Layer "GND_L08_P117" (solid, pour order 117): 154.7,129.125 154.875,129.3 161.125,129.3 161.3,129.125 161.3,122.875 161.125,122.7 154.875,122.7 154.7,122.875
GND on Layer 6 "NONET_L06_P230" (solid, shelved, pour order 230): 170,100 50,100 50,230 170,230
+3V3 on Layer 6 "Layer 6-+3V3" (solid, pour order 223): 128.9,158.2 128.6,158.5 128.6,159.6 128.5,159.7 127.8,159.7 127.5,160 127.5,162.5 127.1,162.9 122.9,162.9 122.725,162.725 122.725,162.375 122.9,162.2 126.1,162.2 126.3,162 126.3,158.3 125.6,157.6 125.6,152.7 125.3,152.4 124.8,152.4 124.4,152 124.4,151.5 124.8,151.1 125.6,151.1 126.3,150.4 126.3,147 125.5,146.2 125.5,137.725 125,137.225 94.225,137.225 94,137 94,135.4 94.5,134.9 124.5,134.9 125.2,134.2 125.2,121.2 126.2,120.2 126.2,119.2 127.1,118.3 137.2,118.3 137.6,118.7 139,118.7 140.2,119.9 151.2,119.9 152.7,118.4 165.3,118.4 166.2,119.3 166.2,133.1 165.9,133.4 151.1,133.4 150.2,132.5 150.2,122.1 149.8,121.7 140.9,121.7 140.5,122.1 140.5,128.7 141.1,129.3 141.1,130 140.8,130.3 140.8,133 140.6,133.2 131.8,133.2 131.6,133.4 131.6,135.1 131.4,135.3 131.2,135.3 131,135.1 131,133.4 130.8,133.2 129.4,133.2 129.1,133.5 129.1,144 129.4,144.3 139.3,144.3 139.6,144.6 139.6,150.3 140.3,151 140.3,157.9 140,158.2
GND on Layer 6 "GND_L06_P179" (solid, pour order 179): 152,131.5 152.5,132 163.5,132 164,131.5 164,120.5 163.5,120 152.5,120 152,120.5
GND on Layer 6 "GND_L06_P216" (solid, pour order 216): 127,156.5 127.5,157 138.5,157 139,156.5 139,145.5 138.5,145 127.5,145 127,145.5
GND on Layer 6 "GND_L06_P131" (solid, pour order 131): 127,131.5 127.5,132 138.5,132 139,131.5 139,120.5 138.5,120 127.5,120 127,120.5
VPWR on Layer 6 "Layer 6-VPWR" (solid, pour order 224): 65.7,189.2 66.2,188.7 113.9,188.7 114.4,188.2 114.4,173.8 114.9,173.3 119.7,173.3 120.2,173.8 120.2,195 119.7,195.5 95.5,195.5 95,196 95,213 94.5,213.5 66.1,213.5 65.7,213.1 65.7,207.2 66.3,206.6 88,206.6 88.4,206.2 88.4,196 87.9,195.5 66.1,195.5 65.7,195.1
GND on Layer 3 "NONET_L03_P227" (solid, shelved, pour order 227): 170,100 50,100 50,230 170,230
VPWR on Layer 3 "Layer 3-VPWR" (solid, pour order 174): 114.4,112.5 113.9,112 98.8,112 98.3,111.5 98.3,109.7 98.7,109.3 119.7,109.3 120.2,109.8 120.2,178.5 119.7,179 114.9,179 114.4,178.5 114.4,178 113.9,177.5 66.1,177.5 65.7,177.1 65.7,171.2 66.2,170.7 113.9,170.7 114.4,170.2 114.4,146 113.9,145.5 66.1,145.5 65.7,145.1 65.7,139.2 66.2,138.7 113.9,138.7 114.4,138.2
GND on Layer 2 "NONET_L02_P226" (solid, shelved, pour order 226): 170,100 50,100 50,230 170,230
GND on Layer 7 "NONET_L07_P231" (solid, shelved, pour order 231): 170,100 50,100 50,230 170,230

## Keep-outs
Keep-Out Layer:
  rectangle: 115.6,99.9 167.1,101.1

## Silkscreen, mask and mechanical layers (free items; w line width, h text height)
Top Overlay:
  text ".PrName / V.Rev" at 87.575,139.848 h3
  text "NOT PCI-E CONNECTION" at 122.182,109.257 h3
Bottom Overlay:
  text "LED" at 131.626,221 h2
  text "FAN" at 141.641,221 h2
  text "NOT PCI-E CONNECTION" at 154.318,109.257 h3
Board Shape:
  lines w0.1: 170,108 167,108 167,100.35 166.65,100 129.15,100 128.85,100.3 128.85,108.7 126.8,108.7 126.8,100.35 126.45,100 116.1,100 115.75,100.35 115.75,108 112.75,108 112.75,105 50,105 50,230 170,230 170,108 ; 170,108 170,108

## Text inside footprints (layer, text, board x,y; h text height)
"Logo FxLand": Top Overlay "Fx.Land" at 83.755,145.001 h5